# Altium PCB BB.PcbDoc (part 3 of 6) (continued)
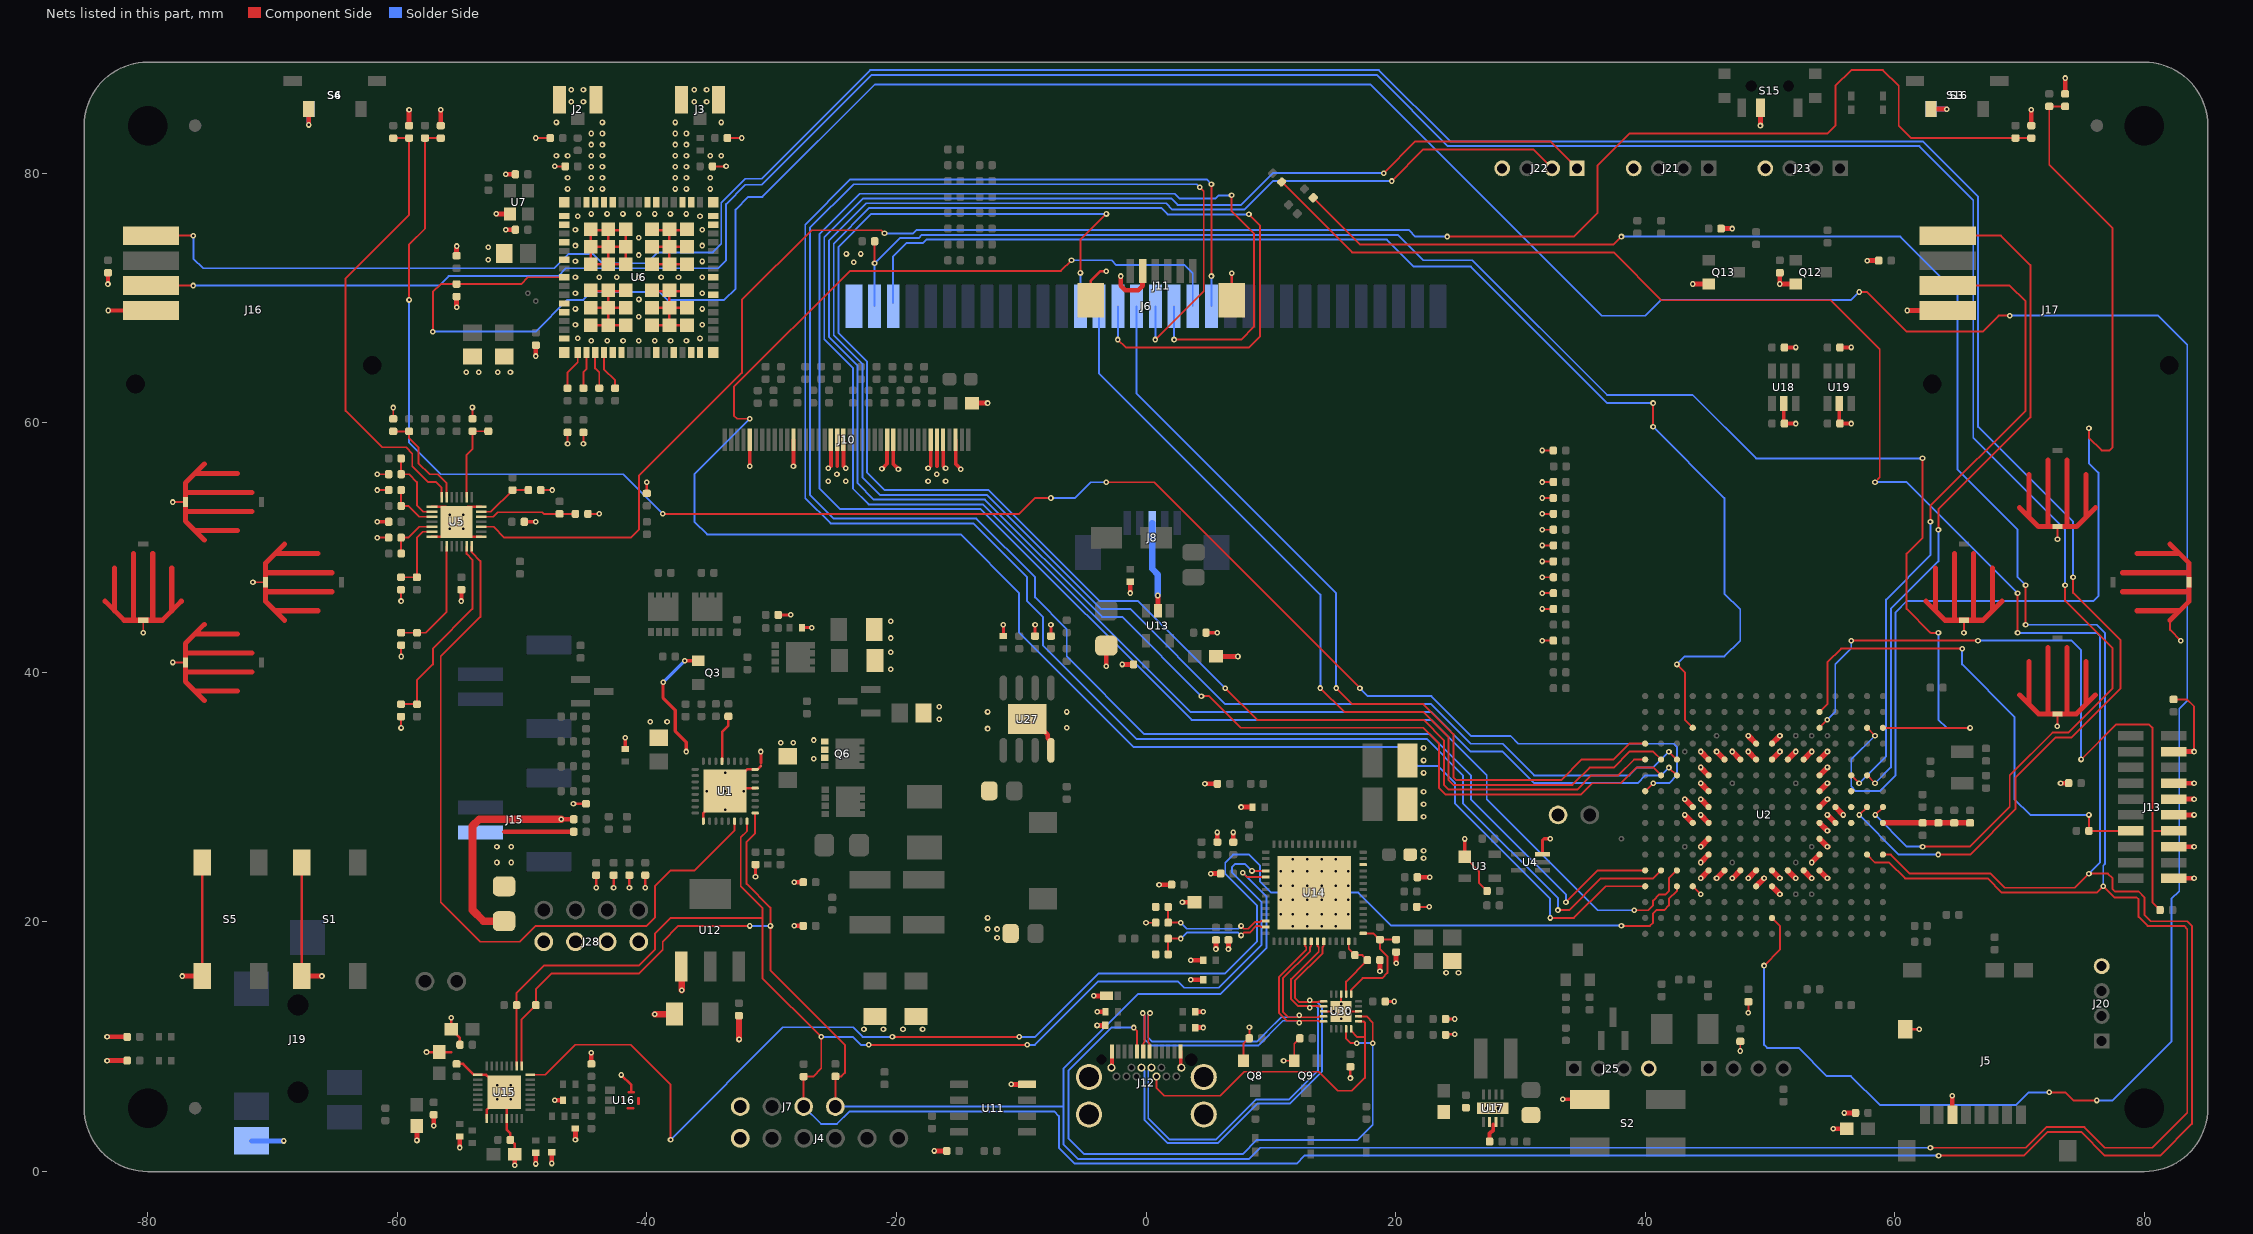
[diagram p5: the nets of this part, all layers, seen from the top]
## Nets (pads, with @x,y where several pads share a name; then routed paths per layer and width w, separated by ;. In a path a pad name is that pad's centre, name@x,y a point inside that pad or via, vN(x,y) a via of type N, cw(c..) or ccw(c..) an arc to the next point about the centre after c; other vN are vias at no path point) (continued)
  Component Side w0.152: U30.16@14.229,13.627 13.866,13.627 13.818,13.579 13.273,13.579 v5(13.133,13.719) 12.993,13.579 12.292,13.579 11.938,13.933 11.938,15.29 14.146,17.499 14.146,17.981 14.244,18.079 U14.9@14.244,18.442
  Solder Side w0.152: J12.B7@-0.372,8.322 -0.124,8.074 -0.124,4.138 1.74,2.274 5.753,2.274 8.94,5.461 11.556,5.461 14.097,8.002 14.097,13.203 13.72,13.579 13.273,13.579 v5(13.133,13.719)
C_USB_B_P: J12.B6 U14.8 U30.17 | length 35.1
  Component Side w0.152: U14.8@13.744,18.442 13.744,18.079 13.842,17.981 13.842,17.625 11.633,15.417 11.633,13.807 12.165,13.275 12.993,13.275 v5(13.133,13.135) 13.273,13.275 13.818,13.275 13.866,13.227 U30.17@14.229,13.227
  Solder Side w0.152: J12.B6@0.428,8.322 0.18,8.074 0.18,4.265 1.867,2.578 5.626,2.578 8.814,5.766 11.43,5.766 13.792,8.128 13.792,13.076 13.594,13.275 13.273,13.275 v5(13.133,13.135)
C_USB_T_N: J12.A7 U14.7 U30.19 | length 28.3
  Component Side w0.127: v1@12.137,12.367 v1(12.289,12.519) 12.441,12.367 13.805,12.367 13.866,12.427 U30.19@14.229,12.427
  Component Side w0.152: J12.A7@0.278,9.632 0.278,10.261 0.18,10.358 0.18,12.56 v5(0.32,12.7) ; v1@12.137,12.367 11.415,12.367 10.973,12.809 10.973,15.475 13.146,17.649 13.146,17.981 13.244,18.079 U14.7@13.244,18.442
  Solder Side w0.127: 9.726,11.258 10.835,12.367 12.137,12.367 v1(12.289,12.519)
  Solder Side w0.152: v5(0.32,12.7) 0.18,12.56 0.18,10.742 0.508,10.414 8.882,10.414 9.644,11.176
C_USB_T_P: J12.A6 U14.6 U30.20 | length 29.5
  Component Side w0.127: v1@12.136,12.087 v1(12.289,11.935) 12.441,12.087 13.805,12.087 13.866,12.027 U30.20@14.229,12.027
  Component Side w0.152: v5(-0.264,12.7) -0.124,12.56 -0.124,10.358 -0.222,10.261 J12.A6@-0.222,9.632 ; v1@12.136,12.087 11.264,12.087 10.668,12.683 10.668,15.601 12.842,17.775 12.842,17.981 12.744,18.079 U14.6@12.744,18.442
  Solder Side w0.127: 9.86,10.96 10.986,12.087 12.137,12.087 v1(12.289,11.935)
  Solder Side w0.152: v5(-0.264,12.7) -0.124,12.56 -0.124,10.615 0.292,10.198 0.382,10.109 9.008,10.109 9.098,10.198 9.86,10.96
CART_DETECT_N: J6.31 R44.1 U2.A3 | length 130.3
  Component Side w0.152: v1(-21.75,72.787) R44.1@-21.75,74.549 ; U2.A3@59.055,35.56 59.072,35.577 59.098,35.551 v1(66.04,35.551) ; v1(62.227,57.15) 62.227,50.789 60.951,49.513 60.951,45.082 62.854,43.18 62.866,43.192 62.877,43.18 62.883,43.186 62.898,43.171 v1(63.5,43.171)
  Solder Side w0.152: J6.31@-21.753,69.342 v1@-21.753,72.787 ; v1(-21.75,72.787) -19.734,74.803 -18.209,74.803 -17.955,75.057 20.193,75.057 22.225,73.025 26.162,73.025 36.957,62.23 43.815,62.23 48.895,57.15 v1(62.227,57.15) ; v1(63.5,43.171) 63.5,36.212 64.161,35.551 v1(66.04,35.551)
CART_DONE_N: J6.15 U2.P12 | length 161.7
  Component Side w0.152: v1(2.247,66.675) 7.62,66.675 8.646,67.701 8.646,75.182 6.858,76.97 v1(6.858,78.232) ; v1(39.116,20.942) 40.246,20.942 40.64,21.336 40.64,21.717 41.138,22.215 41.644,22.215 41.9,22.471 41.9,23.485 U2.P12@42.545,24.13
  Solder Side w0.152: v1(2.247,66.675) J6.15@2.247,69.342 ; v1(6.858,78.232) 5.842,78.232 5.588,77.978 2.667,77.978 2.286,78.359 -22.929,78.359 -26.167,75.121 -26.167,54.742 -24.511,53.086 -13.243,53.086 3.654,36.189 22.866,36.189 27.305,31.75 27.305,29.845 36.208,20.942 v1(39.116,20.942)
CART_INIT_N: J6.13 U2.R12 | length 153.8
  Component Side w0.152: v1(5.247,71.76) v1(5.247,79.121) ; v1(33.011,20.955) 33.912,20.955 36.452,23.495 40.64,23.495 U2.R12@41.275,24.13
  Solder Side w0.152: J6.13@5.247,69.342 v1(5.247,71.76) ; v1(5.247,79.121) 4.866,79.502 -23.691,79.502 -27.31,75.883 -27.31,53.974 -25.279,51.943 -13.845,51.943 -9.525,47.623 -9.525,45.72 -8.255,44.45 -8.255,42.164 -0.762,34.671 22.479,34.671 25.4,31.75 25.4,29.533 33.011,21.922 v1(33.011,20.955)
CART_PGM_N: J6.16 U2.T12 | length 156
  Component Side w0.152: v1(0.748,66.675) 4.628,70.555 4.628,78.556 v1(4.317,78.867) ; v1(33.655,21.592) 36.193,24.13 U2.T12@40.005,24.13
  Solder Side w0.152: v1(0.748,66.675) J6.16@0.748,69.342 ; v1(4.317,78.867) 4.063,79.121 -23.438,79.121 -26.929,75.63 -26.929,54.242 -25.012,52.324 -13.589,52.324 -8.892,47.627 -8.892,46.01 -6.35,43.468 -6.35,41.281 -0.121,35.052 11.557,35.052 22.733,35.052 26.035,31.75 26.035,29.845 33.655,22.225 v1(33.655,21.592)
CART_REQ_N: J6.30 U2.N3 | length 104
  Component Side w0.152: v1(40.635,59.68) v1@40.635,61.571 ; v1(40.635,61.586) v1@40.65,61.571 ; v1@42.54,40.649 43.18,40.009 43.18,36.195 U2.N3@43.815,35.56
  Solder Side w0.152: J6.30@-20.284,69.596 -20.284,73.315 -19.177,74.422 -17.865,74.422 -17.611,74.676 19.304,74.676 21.463,72.517 26.03,72.517 36.961,61.586 v1(40.635,61.586) ; v1(40.635,59.68) 46.355,53.96 46.355,46.314 47.619,45.05 47.619,42.545 46.349,41.275 43.184,41.275 v1(42.549,40.64)
CART_RST_N: J6.14 U2.T13 | length 151.9
  Component Side w0.152: v1(-31.75,60.325) -32.773,60.325 -33.02,60.572 -33.02,62.874 -23.719,72.175 -6.819,72.175 v1(-5.969,73.025) ; v1(32.385,20.323) 34.296,20.323 36.833,22.86 U2.T13@40.005,22.86
  Solder Side w0.152: v1(-31.75,60.325) -36.195,55.88 -36.195,52.07 -35.179,51.054 -14.856,51.054 -10.162,46.36 -10.162,43.182 -1.016,34.036 11.811,34.036 20.199,34.036 21.73,32.505 23.375,32.505 24.765,31.115 24.765,29.472 32.385,21.852 v1(32.385,20.323) ; v1(-5.969,73.025) -2.753,73.025 -2.372,72.644 3.093,72.644 3.748,71.989 J6.14@3.748,69.342
CC1: J12.A5 U30.4 U30.7 | length 52.6
  Component Side w0.152: v1(-0.984,11.537) -0.722,11.275 J12.A5@-0.722,9.632 ; U30.4@16.029,11.427 16.029,10.649 16.391,10.287 v1(16.899,10.287) ; U30.7@17.029,12.427 17.68,12.427 18.169,11.938 v1(18.169,10.287)
  Solder Side w0.152: v1(-0.984,11.537) -2.77,11.537 -6.199,8.108 -6.199,2.643 -4.953,1.397 7.747,1.397 8.89,2.54 16.968,2.54 18.169,3.741 v1(18.169,10.287) v1(16.899,10.287)
CC2: J12.B5 U30.5 U30.6 | length 26.2
  Component Side w0.152: J12.B5@0.828,7.622 0.828,6.729 1.481,6.076 5.957,6.076 ; 5.956,6.075 5.957,6.076 ; 5.969,6.076 5.957,6.076 ; U30.5@16.429,11.427 16.429,11.265 16.899,10.795 17.534,10.795 ; U30.6@17.029,12.027 17.445,12.027 17.534,11.938 17.534,10.795 ; 5.957,6.076 7.882,8.001 13.851,8.001 15.375,6.477 16.501,6.477 17.534,7.51 17.534,10.795
DP_HPD: U14.26
EMU0: J13.13 R181.2 U2.E2 | length 40.2
  Component Side w0.152: U2.E2@53.975,36.83 54.61,37.465 54.61,40.821 55.699,41.91 v1@65.401,41.91 ; R181.2@75.565,27.296 75.574,27.305 78.731,27.305 J13.13@78.74,27.296 ; R181.2@75.565,27.305 v1@75.565,28.575
  Solder Side w0.152: v1(65.401,41.901) 65.401,40.644 69.596,36.449 69.596,29.845 70.866,28.575 v1(75.562,28.575)
EMU1: J13.14 R182.2 U2.E3 | length 59.1
  Component Side w0.152: U2.E3@53.967,35.56 v1(54.601,36.195) ; v1(56.515,42.545) v1(66.675,42.545) ; v1@74.939,33.02 77.733,35.814 80.4,35.814 80.645,35.569 80.645,27.296 ; R182.2@81.264,20.955 80.645,21.574 80.645,27.296 ; J13.14@82.37,27.296 80.645,27.296
  Solder Side w0.152: v1(54.601,36.195) 55.236,36.83 55.236,40.64 56.515,41.919 v1(56.515,42.545) ; v1(66.675,42.545) 74.17,42.545 74.931,41.784 v1(74.931,33.026)
GND: C8.1 C9.1 C10.1 C11.1 C12.1 C13.1 C14.1 C23.1 C28.1 C29.1 C30.1 C31.1 C32.1 C36.2 C37.2 C42.1 C45.1 C46.1 C47.1 C48.1 C49.1 C50.1 C51.1 C52.1 C53.1 C54.1 C55.1 C56.1 C57.1 C58.1 C59.1 C60.1 C61.1 C62.1 C67.1 C68.1 C69.2 C70.2 C71.1 C72.1 C73.1 C74.1 C75.1 C76.1 C77.1 C78.1 C79.1 C80.1 C82.1 C83.1 C84.1 C85.1 C86.1 C87.1 C88.1 C89.1 C90.1 C91.1 C92.1 C93.1 C96.1 C97.1 C100.1 C101.1 C102.1 C103.1 C104.1 C105.1 C107.1 C109.1 C110.1 C111.1 C112.1 C113.1 C114.1 C115.1 C121.1 C122.1 C123.1 C124.1 C125.1 C126.1 D7.2 J1.2 J2.1 J2.2 J3.1 J3.2 J4.1 J5.6 J5.9 J6.32 J7.1 J8.3 J10.3 J10.5 J10.6 J10.7 J10.13 J10.14 J10.21 J10.22 J10.23 J10.29 J10.36 J11.2 J11.MP1 J11.MP2 J12.A1 J12.A12 J12.B1 J12.B12 J12.M1 J12.M2 J12.M3 J12.M4 J13.4 J13.8 J13.10 J13.12 J13.16 J13.20 J16.4 J17.4 J19.1 J20.4 J21.4 J22.4 J23.4 J25.4 L2.1 L3.1 L5.1 L6.1 NT1.1 Q3.1 Q6.1 Q6.2 Q6.3 Q8.2 Q9.2 Q12.2 Q13.2 R6.2 R7.2 R8.2 R9.2 R10.2 R11.2 R12.2 R13.2 R14.2 R15.2 R16.2 R27.2 R34.2 R35.1 R45.1 R52.2 R55.1 R60.1 R75.2 R76.2 R77.1 R78.1 R105.2 R106.2 R107.2 R129.2 R131.2 R132.2 R137.1 R148.1 R149.1 R154.2 R156.1 R159.2 R160.2 R161.2 R162.2 R164.2 R166.2 R168.2 R170.2 R183.2 S1.3 S1.4 S2.3 S3.2 S4.2 S5.3 S5.4 S6.1 S7.2 S8.2 S9.2 S10.2 S11.2 S12.2 S13.2 S14.2 S15.2 S16.1 U2.D8 U2.D9 U2.E5 U2.E6 U2.E7 U2.E8 U2.E9 U2.E10 U2.E11 U2.E12 U2.F5 U2.F12 U2.G5 U2.G12 U2.H4 U2.H5 U2.H12 U2.H13 U2.J4 U2.J5 U2.J12 U2.J13 U2.K5 U2.K12 U2.L5 U2.L12 U2.M5 U2.M6 U2.M7 U2.M8 U2.M9 U2.M10 U2.M11 U2.M12 U2.N8 U2.N9 U2.N13 U3.1 U4.3 U5.1 U5.7 U5.15 U5.21 U5.29 U6.1 U6.7 U6.9 U6.15 U6.16 U6.17 U6.19 U6.20 U6.23 U6.24 U6.28 U6.29 U6.30 U6.31 U6.33 U6.34 U6.35 U6.37 U6.39 U6.44 U6.45 U6.48 U6.49 U6.54 U6.55 U6.59 U6.61 U6.63 U6.64 U6.G1 U6.G2 U6.G3 U6.G4 U6.G5 U6.G6 U6.G7 U6.G8 U6.G9 U6.G10 U6.G11 U6.G12 U6.G13 U6.G14 U6.G15 U6.G16 U6.G17 U6.G18 U6.G19 U6.G20 U6.G21 U6.G22 U6.G23 U6.G24 U6.G25 U6.G26 U6.G27 U6.G28 U6.G29 U6.G30 U6.G31 U6.G32 U6.G33 U6.G34 U6.G35 U6.G36 U7.2 U11.4 U12.1 U13.2 U14.57 U15.17 U15.25 U15.29 U15.33 U16.4 U17.2 U17.3 U17.9 U18.2 U19.2 U27.4 U27.9 U30.8 U30.13 U30.18 U30.21@15.629,12.827 | length 368.9
  Component Side w0.152: v1(-80.36,43.167) S12.2@-80.36,44.177 ; v1(-77.993,40.8) S10.2@-76.983,40.8 ; v1(-77.993,53.65) S14.2@-76.983,53.65 ; v1(-71.568,47.225) S13.2@-70.558,47.225 ; v1(-61.603,50.8) C55.1@-60.698,50.8 ; v1(-61.595,54.61) C52.1@-60.69,54.61 ; v1(-61.595,55.88) C54.1@-60.69,55.88 ; C58.1@-60.325,60.317 v1(-60.325,61.222) ; v1(-59.698,35.551) C56.1@-59.698,36.456 ; v1(-59.698,45.72) C53.1@-59.698,46.625 ; v1(-59.69,41.275) C67.1@-59.69,42.18 ; C60.1@-53.976,60.325 v1(-53.976,61.23) ; v1(-48.895,82.825) L3.1@-47.736,82.825 ; C59.1@-48.495,54.61 v1(-47.59,54.61) ; v1(-47.371,80.555) L2.1@-46.54,80.555 ; v1(-46.355,58.33) R77.1@-46.355,59.235 ; v1(-45.085,58.33) R78.1@-45.085,59.235 ; C61.1@-44.72,52.705 v1(-43.815,52.705) ; L5.1@-34.74,80.555 v1(-33.655,80.555) ; L6.1@-33.544,82.825 v1(-32.385,82.825) ; v1(0,19.938) 0.772,19.938 R55.1@0.778,19.944 ; Q8.2@7.813,8.877 7.813,10.229 8.29,10.706 v1(8.29,11.56) ; v1(11.023,8.877) Q9.2@11.877,8.877 11.877,10.229 R159.2@12.354,10.706 ; U30.18@14.229,12.827 v1(15.029,12.827) v1(15.629,12.827) ; U30.13@15.629,14.227 v1(15.629,13.427) v1(15.629,12.827) ; U30.8@17.029,12.827 v1(16.229,12.827) v1(15.629,12.827) ; R164.2@21.701,21.209 v1(22.701,21.209) ; U3.1@25.54,25.21 26.67,24.08 26.67,23.138 R52.2@27.329,22.479 ; v1(31.75,42.545) R16.2@32.644,42.545 ; v1(31.75,48.895) R12.2@32.644,48.895 ; v1(31.75,51.435) R10.2@32.644,51.435 ; v1(31.75,53.975) R8.2@32.644,53.975 ; v1(31.75,57.785) R6.2@32.644,57.785 ; v1(31.761,45.085) R15.2@32.655,45.085 ; v1(31.761,46.351) R14.2@32.655,46.351 ; v1(31.761,47.625) R13.2@32.655,47.625 ; v1(31.761,50.176) R11.2@32.655,50.176 ; v1(31.761,52.709) R9.2@32.655,52.709 ; v1(31.761,55.253) R7.2@32.655,55.253 ; U2.N13@43.815,22.86 v1(44.448,22.227) ; v1(47.625,9.66) R60.1@47.625,10.43 ; v1(48.27,12.719) C86.1@48.27,13.605 ; v1(65.545,43.167) S8.2@65.545,44.177 ; v1(73.034,35.687) 73.034,36.666 S9.2@73.045,36.677 ; v1(73.045,50.667) S7.2@73.045,51.677 ; 82.069,44.177 82.069,43.407 v1(82.931,42.545) ; R183.2@82.349,37.839 83.421,37.839 83.991,37.268 v1(83.991,33.655)
  Component Side w0.203: S5.4@-75.62,15.665 S5.3@-75.62,24.765 ; S1.4@-67.655,15.665 S1.3@-67.655,24.765 ; v1(-57.658,9.574) C79.1@-56.642,9.574 -55.675,9.574 ; U5.7@-57.22,50.87 U5.29@-56.134,50.87 ; U5.1@-57.22,53.27 U5.29@-56.134,53.27 ; v1(-55.675,12.319) C73.1@-55.675,11.401 -54.991,10.717 -54.991,10.176 C78.1@-54.975,10.16 ; C80.1@-55.245,8.62 -54.721,8.62 -53.855,7.754 U15.17@-53.54,7.754 -52.874,7.754 U15.33@-52.613,7.493 ; U5.29@-54.356,50.87 U5.15@-53.27,50.87 ; U5.29@-54.356,53.27 U5.21@-53.27,53.27 ; U15.25@-52.84,4.254 -52.84,4.92 U15.33@-52.578,5.181 ; U15.33@-51.24,5.092 U15.29@-51.24,4.254 -51.24,3.361 -50.94,3.061 -50.94,2.559 -50.59,2.209 C77.1@-50.59,1.397 ; U6.G33@-44.49,70.538 U6.G27@-43.09,70.538 ; U6.G34@-44.49,72.715 U6.G35@-44.49,74.115 U6.G36@-44.49,75.438 ; U6.G36@-44.49,75.515 U6.G36@-44.49,75.438 ; U6.G31@-44.413,67.815 U6.G25@-43.09,67.815 ; U6.G32@-44.413,69.215 U6.G26@-43.09,69.215 ; U6.G34@-44.413,72.715 U6.G28@-43.09,72.715 ; U6.G35@-44.413,74.115 U6.G29@-43.09,74.115 ; v1(-42.061,7.74) -41.246,6.925 -41.246,6.35 ; -41.88,5.51 -41.88,5.972 ; U6.G20@-41.767,69.215 U6.G26@-43.09,69.215 ; U6.G23@-41.767,74.115 U6.G29@-43.09,74.115 ; U6.G19@-41.69,67.815 U6.G25@-43.09,67.815 ; U6.G21@-41.69,70.538 U6.G27@-43.09,70.538 ; U6.G24@-41.69,75.515 U6.G24@-41.69,75.438 ; -41.544,5.074 -41.084,5.074 ; -41.449,6.35 -41.246,6.35 ; -41.043,6.35 -41.246,6.35 ; -40.668,5.425 -40.668,5.875 ; R105.2@-40.005,54.34 v1(-40.005,55.245) ; U6.G15@-39.59,70.538 U6.G9@-38.19,70.538 ; U6.G18@-39.59,75.438 U6.G12@-38.19,75.438 ; U6.G13@-39.513,67.815 U6.G7@-38.19,67.815 ; U6.G14@-39.513,69.215 U6.G8@-38.19,69.215 ; U6.G16@-39.513,72.715 U6.G10@-38.19,72.715 ; U6.G17@-39.513,74.115 U6.G11@-38.19,74.115 ; U6.G2@-36.867,69.215 U6.G8@-38.19,69.215 ; U6.G5@-36.867,74.115 U6.G11@-38.19,74.115 ; U6.G1@-36.79,67.815 U6.G7@-38.19,67.815 ; U6.G3@-36.79,70.538 U6.G9@-38.19,70.538 ; U6.G4@-36.79,72.715 U6.G10@-38.19,72.715 ; U6.G6@-36.79,75.438 U6.G12@-38.19,75.438 ; J11.MP1@-4.422,69.825 -4.422,71.397 -3.683,72.136 v1(-3.177,72.136) ; J11.MP2@6.878,69.825 v1(6.878,71.989) ; v1(16.383,7.493) C126.1@16.383,8.398 ; C125.1@19.169,13.627 v1(19.901,13.627) ; R161.2@24.003,10.995 v1(24.735,10.995) ; R162.2@24.003,12.224 v1(24.735,12.224) ; J5.9@60.833,11.41 v1(61.959,11.41) ; U6.G36@-44.49,75.438 U6.G30@-43.09,75.438 ; U6.G25@-43.09,67.815 U6.G26@-43.09,69.215 ; U6.G26@-43.09,69.215 U6.G27@-43.09,70.538 ; U6.G28@-43.09,72.715 U6.G29@-43.09,74.115 ; U6.G28@-43.09,72.715 U6.G22@-41.69,72.715 U6.G23@-41.69,74.115 U6.G24@-41.69,75.438 ; U6.G29@-43.09,74.115 U6.G30@-43.09,75.438 ; U6.G30@-43.09,75.438 U6.G24@-41.69,75.438 ; U6.G7@-38.19,67.815 U6.G8@-38.19,69.215 ; U6.G8@-38.19,69.215 U6.G9@-38.19,70.538 ; U6.G10@-38.19,72.715 U6.G11@-38.19,74.115 ; U6.G11@-38.19,74.115 U6.G12@-38.19,75.438
  Component Side w0.254: v1(-38.697,39.205) -38.697,37.941 -37.723,36.967 -37.723,35.298 -36.838,34.413 v1(-36.838,33.655) ; v1(-36.973,40.93) Q3.1@-35.873,40.93 ; NT1.1@-30.861,32.759 v1(-30.861,33.655) ; R27.2@-29.473,44.611 v1(-28.469,44.611) ; C23.1@-27.567,43.588 v1(-26.789,43.588) ; C111.1@-11.43,42.91 v1(-11.43,43.815) ; C110.1@-8.89,42.91 v1(-8.89,43.815) ; R168.2@-7.62,42.91 v1(-7.62,43.815) ; U3.1@25.54,25.21 v1(25.54,26.655) ; U4.3@31.775,25.43 31.775,26.543 31.902,26.67 v1(32.385,26.67)
  Component Side w0.305: v1(-83.185,71.12) C85.1@-83.185,72.025 ; v1(-83.16,69) J16.4@-79.75,69 ; v1(-61.595,52.07) C8.1@-60.69,52.07 ; v1(-54.864,45.72) C9.1@-54.864,46.625 ; C10.1@-49.819,52.07 v1(-48.914,52.07) ; v1(-31.75,56.515) J10.36@-31.75,58.65 ; v1(-28.25,56.515) J10.29@-28.25,58.65 ; -25.25,56.515 J10.23@-25.25,58.65 ; -24.75,56.515 J10.22@-24.75,58.65 ; -24.25,56.515 J10.21@-24.25,58.65 ; v1(-21.16,56.31) -20.75,56.72 J10.14@-20.75,58.65 ; J10.13@-20.25,58.65 -20.25,56.699 v1(-19.841,56.29) ; -17.25,56.515 J10.7@-17.25,58.65 ; -16.75,56.515 J10.6@-16.75,58.65 ; -16.25,56.515 J10.5@-16.25,58.65 ; J10.3@-15.25,58.65 -15.25,56.699 v1(-14.84,56.29) ; J12.B12@-2.722,8.322 J12.A1@-2.722,9.632 ; J12.B1@2.778,8.322 J12.A12@2.778,9.632 ; C48.1@4.808,43.18 v1(5.708,43.18) ; R166.2@27.535,2.403 27.535,3.039 27.835,3.339 27.835,3.765 ; v1(33.401,5.79) S2.3@35.56,5.79 ; C115.1@51.112,59.994 U18.2@51.112,61.535 ; C115.1@51.162,59.944 v1(52.067,59.944) ; C112.1@51.165,66.04 v1(52.07,66.04) ; U19.2@55.56,61.535 55.56,59.994 C113.1@55.61,59.944 v1(56.515,59.944) ; C114.1@55.61,66.04 v1(56.515,66.04)
  Component Side w0.381: v1(-83.26,8.89) R131.2@-81.645,8.89 ; v1(-83.26,10.795) R132.2@-81.645,10.795 ; v1(-77.235,15.665) S5.4@-75.62,15.665 ; S1.4@-67.655,15.665 v1(-66.04,15.665) ; v1(-67.1,83.87) S4.2@-67.1,85.14 ; C50.1@-59.055,83.82 v1(-59.055,85.09) ; v1(-58.424,2.494) C71.1@-58.424,3.652 ; v1(-57.082,3.659) C72.1@-57.082,4.548 ; C92.1@-56.515,83.82 v1(-56.515,85.09) ; v1(-55.245,69.252) R75.2@-55.245,70.12 ; R76.2@-55.245,73.39 v1(-55.245,74.168) ; v1(-54.991,1.921) C83.1@-54.991,2.81 ; v1(-52.07,76.745) U7.2@-50.98,76.745 ; v1(-51.308,75.475) C29.1@-50.53,75.475 ; v1(-51.308,79.92) C42.1@-50.53,79.92 ; v1(-50.59,0.508) C77.1@-50.59,1.397 ; v1(-48.895,0.608) C82.1@-48.895,1.497 ; v1(-48.895,65.351) C13.1@-48.895,66.22 ; v1(-47.625,0.651) C84.1@-47.625,1.54 ; v1(-47.371,5.711) C69.2@-46.72,5.711 ; v1(-46.862,28.23) R35.1@-45.858,28.23 ; v1(-45.72,2.556) C70.2@-45.72,3.445 ; C68.1@-44.45,8.62 v1(-44.45,9.509) ; v1(-16.975,1.651) C96.1@-15.975,1.651 ; C62.1@-13.85,61.586 v1(-12.7,61.586) ; v1(-10.795,6.985) U11.4@-9.525,6.985 ; U27.9@-8.318,35.433 -7.874,34.989 -7.874,34.735 -7.62,34.481 U27.4@-7.62,33.758 ; v1(-4.183,14.077) D7.2@-3.169,14.077 ; v1(-3.923,11.711) C124.1@-3.272,11.711 ; v1(-3.905,12.807) C122.1@-3.254,12.807 ; v1(-3.177,40.482) R107.2@-3.177,42.145 ; v1(-2.032,71.76) -2.032,70.988 -1.659,70.615 -0.632,70.615 -0.272,70.975 J11.2@-0.272,72.175 ; v1(-1.907,40.64) R106.2@-1.272,40.64 ; v1(-1.272,46.355) C49.1@-1.272,47.26 ; R106.2@-1.016,40.64 R106.2@-1.002,40.64 ; U13.2@0.953,44.945 v1(0.953,46.162) ; v1(1.048,22.99) R148.1@2.048,22.99 ; v1(2.921,21.59) 3.885,21.59 C101.1@3.888,21.592 ; v1(3.588,15.361) C30.1@4.588,15.361 ; v1(3.588,16.942) C75.1@4.588,16.942 ; C123.1@3.945,11.537 v1(4.596,11.537) ; C121.1@3.945,12.807 v1(4.596,12.807) ; v1(4.722,31.071) R137.1@5.722,31.071 ; v1@5.285,23.876 C100.1@5.985,23.876 ; v1(5.604,17.831) R45.1@5.604,18.558 ; C47.1@5.708,41.275 v1(7.371,41.275) ; R149.1@5.715,26.405 v1(5.715,27.178) ; v1(6.604,17.831) C102.1@6.604,18.558 ; R156.1@6.994,26.405 v1(6.994,27.178) ; v1(7.62,29.21) C74.1@8.525,29.21 ; v1(18.744,16.042) C97.1@18.744,16.942 ; v1(20.044,16.692) C28.1@20.044,17.592 ; R154.2@21.744,23.587 v1(22.744,23.587) ; v1(43.81,71.125) Q13.2@45.085,71.125 ; R170.2@46.085,75.565 v1(46.99,75.565) ; v1(49.238,83.82) S15.2@49.238,85.26 ; R129.2@50.795,72.025 v1(50.795,71.125) Q12.2@52.07,71.125 ; v1(55.064,3.429) C45.1@56.158,3.429 ; v1(55.953,4.699) C46.1@56.858,4.699 ; v1(57.81,73) C87.1@58.715,73 ; v1(60.999,69) J17.4@64.25,69 ; S3.2@62.9,85.14 v1(64.17,85.14) ; J5.6@64.61,4.551 v1(64.61,6.075) ; C51.1@70.945,83.82 v1(70.945,85.09) ; v1(73.288,31.124) C91.1@73.93,31.124 ; C93.1@73.66,86.36 v1(73.66,87.63) ; J13.20@82.37,23.495 v1(83.991,23.495) ; J13.16@82.37,26.035 v1(83.991,26.035) ; J13.12@82.37,28.575 v1(83.991,28.575) ; J13.10@82.37,29.845 v1(83.991,29.845) ; J13.8@82.37,31.115 v1(83.991,31.115) ; J13.4@82.37,33.655 v1(83.991,33.655)
  Component Side w0.457: v1(43.18,28.575) U2.N9@43.815,27.94 ; v1(43.18,29.845) U2.N8@43.815,29.21 ; v1(44.45,23.495) U2.M12@45.085,24.13 ; v1(44.45,24.765) U2.M11@45.085,25.4 ; v1(44.45,26.035) U2.M10@45.085,26.67 ; v1(44.45,28.575) U2.M9@45.085,27.94 ; v1(44.45,29.845) U2.M8@45.085,29.21 ; v1(44.45,31.115) U2.M7@45.085,30.48 ; v1(44.45,32.385) U2.M6@45.085,31.75 ; v1(44.45,33.655) U2.M5@45.085,33.02 ; v1(45.72,23.495) U2.L12@46.355,24.13 ; v1(45.72,33.655) U2.L5@46.355,33.02 ; v1(46.99,23.495) U2.K12@47.625,24.13 ; v1(46.99,33.655) U2.K5@47.625,33.02 ; v1(48.26,23.495) U2.J12@48.895,24.13 ; v1(48.26,33.655) U2.J5@48.895,33.02 ; v1(48.26,34.925) U2.J4@48.895,34.29 ; U2.J13@48.895,22.86 v1(49.53,23.495) ; U2.H13@50.165,22.86 v1(50.8,22.225) ; U2.H12@50.165,24.13 v1(50.8,23.495) ; U2.H5@50.165,33.02 v1(50.8,33.655) ; U2.H4@50.165,34.29 v1(50.8,34.925) ; U2.G12@51.435,24.13 v1(52.07,23.495) ; U2.G5@51.435,33.02 v1(52.07,33.655) ; U2.F12@52.705,24.13 v1(53.34,23.495) ; U2.F5@52.705,33.02 v1(53.34,33.655) ; v1(53.34,24.765) U2.E11@53.975,25.4 ; U2.E12@53.975,24.13 v1(54.61,23.495) ; U2.E10@53.975,26.67 v1(54.61,26.035) ; U2.E9@53.975,27.94 v1(54.61,27.305) ; U2.E8@53.975,29.21 v1(54.61,29.845) ; U2.E7@53.975,30.48 v1(54.61,31.115) ; U2.E6@53.975,31.75 v1(54.61,32.385) ; U2.E5@53.975,33.02 v1(54.61,33.655) ; v1(54.61,28.575) U2.D9@55.245,27.94 ; U2.D8@55.245,29.21 v1(55.88,28.575)
  Component Side w0.508: v1(-39.362,12.615) C57.1@-37.775,12.615 ; v1(-37.211,14.52) U12.1@-37.211,16.411 ; v1(-32.611,10.587) C31.1@-32.611,12.478
  Component Side w0.635: R34.2@-51.44,20.06 -53.08,20.06 -53.975,20.955 -53.975,27.687 -53.432,28.23 v1(-46.862,28.23)
  Solder Side w0.254: v1(-38.697,39.205) v1(-36.973,40.93)
  Solder Side w0.381: J19.1@-71.695,2.45 v1(-69.109,2.45) ; v1(-67.1,83.87) S6.1@-67.1,85.14 ; S16.1@62.9,85.14 v1(64.17,85.14)
  Solder Side w0.508: J8.3@0.5,51.975 0.5,48.298 0.953,47.845 v1(0.953,46.162)
  other v1: -22.606,11.393 -21.04,11.393 -19.473,11.393 -17.907,11.401 15.629,12.227 24.044,15.942 25.044,15.942 -11.938,18.733 -12.7,19.431 -11.938,19.431 -12.7,20.32 5.185,23.876 22.244,25.118 22.244,25.718 22.244,28.442 22.244,29.442 22.244,30.442 22.244,31.942 22.244,32.942 -26.623,33.08 22.244,33.942 -26.623,34.58 -12.7,35.497 -6.35,35.56 -12.7,36.83 -6.35,36.83 -25.462,55.308 -24.065,55.308 -16.065,55.308 -17.462,55.308 -24.764,55.88 -16.764,55.88 -25.462,56.371 -24.065,56.371 -17.462,56.371 -16.065,56.371 -54.483,64.045 -53.47,64.045 -51.943,64.045 -50.93,64.045 -44.45,66.585 -43.18,66.585 -41.91,66.585 -40.64,66.585 -39.37,66.585 -38.1,66.576 -36.83,66.576 -45.54,66.773 -35.74,66.765 -45.72,67.855 -35.56,67.855 -40.64,68.49 -45.72,69.125 -35.56,69.125 -40.637,69.887 -45.72,70.395 -35.56,70.395 -43.815,71.664 -42.418,71.662 -40.64,71.665 -37.465,71.665 -35.56,71.665 -45.72,71.667 -38.862,71.667 -23.418,72.863 -35.56,72.934 -45.72,72.937 -52.705,73.065 -40.643,73.443 -24.003,73.534 -22.86,73.534 -52.705,74.078 -35.56,74.204 -45.72,74.207 -40.64,74.84 -35.56,75.474 -45.72,75.477 -45.54,76.559 -35.74,76.564 -44.458,76.739 -43.188,76.739 -41.918,76.739 -40.648,76.739 -39.378,76.739 -38.108,76.739 -36.838,76.739 -46.355,78.74 -44.45,78.74 -43.561,78.74 -37.719,78.74 -36.83,78.74 -34.925,78.74 -46.355,79.629 -44.45,79.629 -43.561,79.629 -37.719,79.629 -36.83,79.629 -34.925,79.629 -44.45,80.518 -43.561,80.518 -37.719,80.518 -36.83,80.518 -47.244,81.407 -46.355,81.407 -44.45,81.407 -43.561,81.407 -37.719,81.407 -36.83,81.407 -34.925,81.407 -34.036,81.407 -44.45,82.296 -43.561,82.296 -37.719,82.296 -36.83,82.296 -44.45,83.185 -43.561,83.185 -37.719,83.185 -36.83,83.185 -47.244,84.074 -43.561,84.074 -37.719,84.074 -34.036,84.074 -46.063,85.725 -45.085,85.725 -36.195,85.725 -35.217,85.725 -46.063,86.703 -45.085,86.703 -36.195,86.703 -35.217,86.703
  other v2: 11.769,19.642 12.919,19.642 14.069,19.642 15.219,19.642 10.794,20.617 11.769,20.617 12.919,20.617 14.069,20.617 15.219,20.617 16.194,20.617 10.794,21.767 11.769,21.767 12.919,21.767 14.069,21.767 15.219,21.767 16.194,21.767 10.794,22.917 11.769,22.917 12.919,22.917 14.069,22.917 15.219,22.917 16.194,22.917 10.794,24.067 11.769,24.067 12.919,24.067 14.069,24.067 15.219,24.067 16.194,24.067 11.769,25.042 12.919,25.042 14.069,25.042 15.219,25.042
  other v3: 27.305,5.08 28.225,5.07
  other v4: -51.99,5.804 -50.89,5.804 -51.99,6.904 -50.89,6.904 -55.795,51.52 -54.695,51.52 -55.795,52.62 -54.695,52.62
GPIO0: J6.17 U2.T4 | length 68.3
  Component Side w0.152: v1(15.24,38.745) 16.528,37.456 22.236,37.456 24.638,35.054 24.638,31.608 24.877,31.369 33.274,31.369 34.934,33.029 37.465,33.029 38.726,34.29 U2.T4@40.005,34.29
  Solder Side w0.152: J6.17@-0.753,69.342 -0.753,62.348 15.24,46.355 v1(15.24,38.745)
GPIO1: J6.18 U2.P5 | length 155.4
  Component Side w0.152: v1(-2.252,66.675) -1.617,66.04 8.255,66.04 9.144,66.929 9.144,75.811 v1(8.247,76.708) ; v1(41.91,33.646) U2.P5@42.545,33.011
  Solder Side w0.152: v1@-2.252,66.639 v1(-2.252,66.675) J6.18@-2.252,69.342 ; v1(8.247,76.708) 1.736,76.708 1.228,77.216 -22.168,77.216 -25.024,74.36 -25.024,67.023 -22.733,64.732 -22.733,55.626 -21.336,54.229 -12.769,54.229 -3.625,45.085 -1.268,45.085 6.352,37.465 22.86,37.465 26.044,34.281 28.576,34.281 31.107,31.75 38.735,31.75 39.37,32.385 40.649,32.385 v1(41.91,33.646)
GPIO2: J6.19 U2.R5 | length 71.8
  Component Side w0.152: v1(13.97,38.745) 15.885,36.83 22.225,36.83 24.257,34.798 24.257,31.354 24.623,30.988 34.163,30.988 35.551,32.376 37.465,32.376 38.743,33.655 40.64,33.655 U2.R5@41.275,33.02
  Solder Side w0.152: J6.19@-3.753,69.342 -3.753,63.951 13.97,46.228 v1(13.97,38.745)
GPIO3: J6.20 U2.T5 | length 125.8
  Component Side w0.152: v1(-5.252,72.013) -5.252,74.655 v1(-3.169,76.739) ; v1(6.35,38.735) 8.899,36.186 22.245,36.186 23.876,34.555 23.876,30.988 24.259,30.605 34.55,30.605 35.695,31.75 37.846,31.75 39.116,33.02 U2.T5@40.005,33.02
  Solder Side w0.152: J6.20@-5.252,69.342 v1(-5.252,72.013) ; v1(-3.169,76.739) -22.01,76.739 -24.638,74.111 -24.638,67.183 -22.352,64.897 -22.352,56.009 -20.955,54.612 -12.606,54.612 -3.714,45.72 -0.635,45.72 v1(6.35,38.735)
GPIO4: J22.1 U2.P6 | length 162.5
  Component Side w0.152: v1(19.05,80.01) 21.59,82.55 32.385,82.55 J22.1@34.544,80.391 ; v1(41.91,32.376) U2.P6@42.545,31.741
  Solder Side w0.152: v1(19.05,80.01) 10.16,80.01 7.62,77.47 2.54,77.47 2.032,77.978 -22.672,77.978 -25.786,74.864 -25.786,66.707 -23.495,64.416 -23.495,54.737 -22.225,53.467 -13.085,53.467 3.552,36.83 22.86,36.83 26.035,33.655 28.579,33.655 31.107,31.126 39.39,31.126 40.014,31.75 41.284,31.75 v1(41.91,32.376)
GPIO5: J22.2 U2.R6 | length 160.4
  Component Side w0.152: v1(4.445,38.1) 5.064,38.1 7.601,35.563 22.231,35.563 23.495,34.299 23.495,30.734 23.999,30.23 34.868,30.23 35.753,31.115 38.058,31.115 39.328,32.385 40.64,32.385 U2.R6@41.275,31.75 ; v1(19.685,79.375) 22.222,81.912 31.023,81.912 J22.2@32.544,80.391
  Solder Side w0.152: v1(4.445,38.1) -1.905,44.45 -3.512,44.45 -12.91,53.848 -21.804,53.848 -23.114,55.158 -23.114,64.591 -25.393,66.87 -25.393,74.622 -22.418,77.597 1.608,77.597 2.116,77.089 7.874,77.089 10.16,79.375 v1(19.685,79.375)